# KiCad board Rotonometron_PCB.kicad_pcb
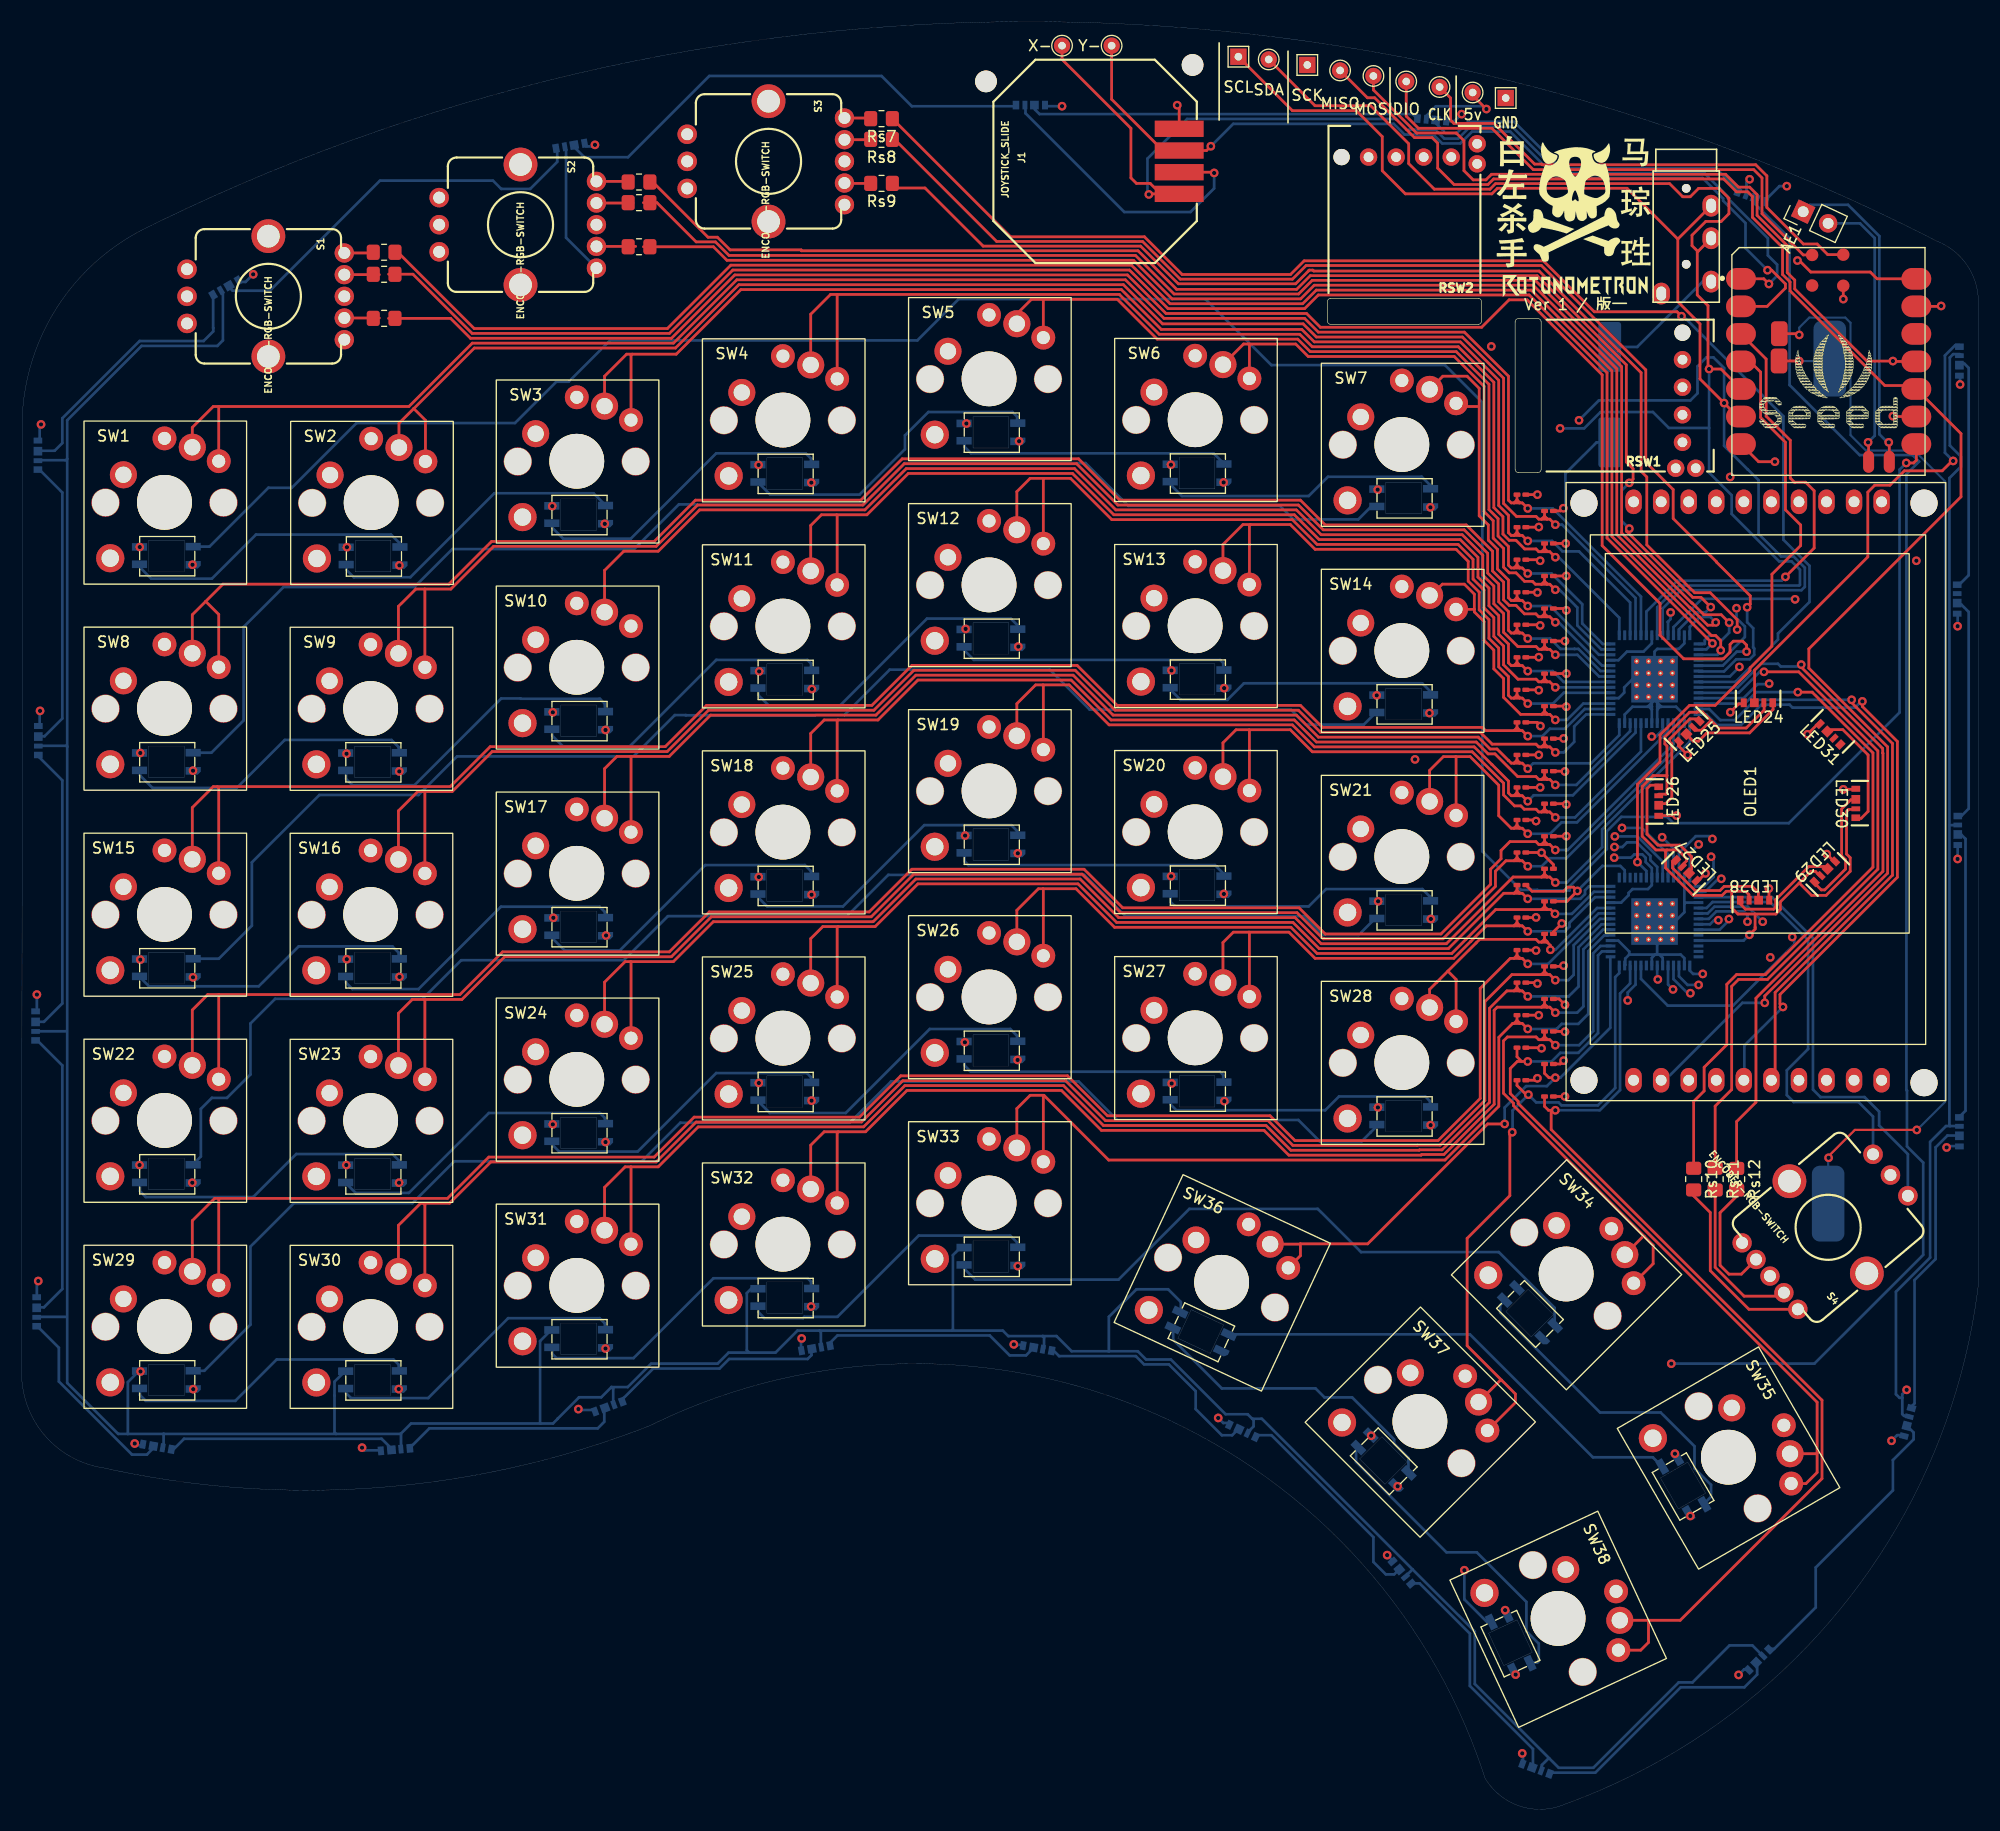
[diagram p0: board, top side]
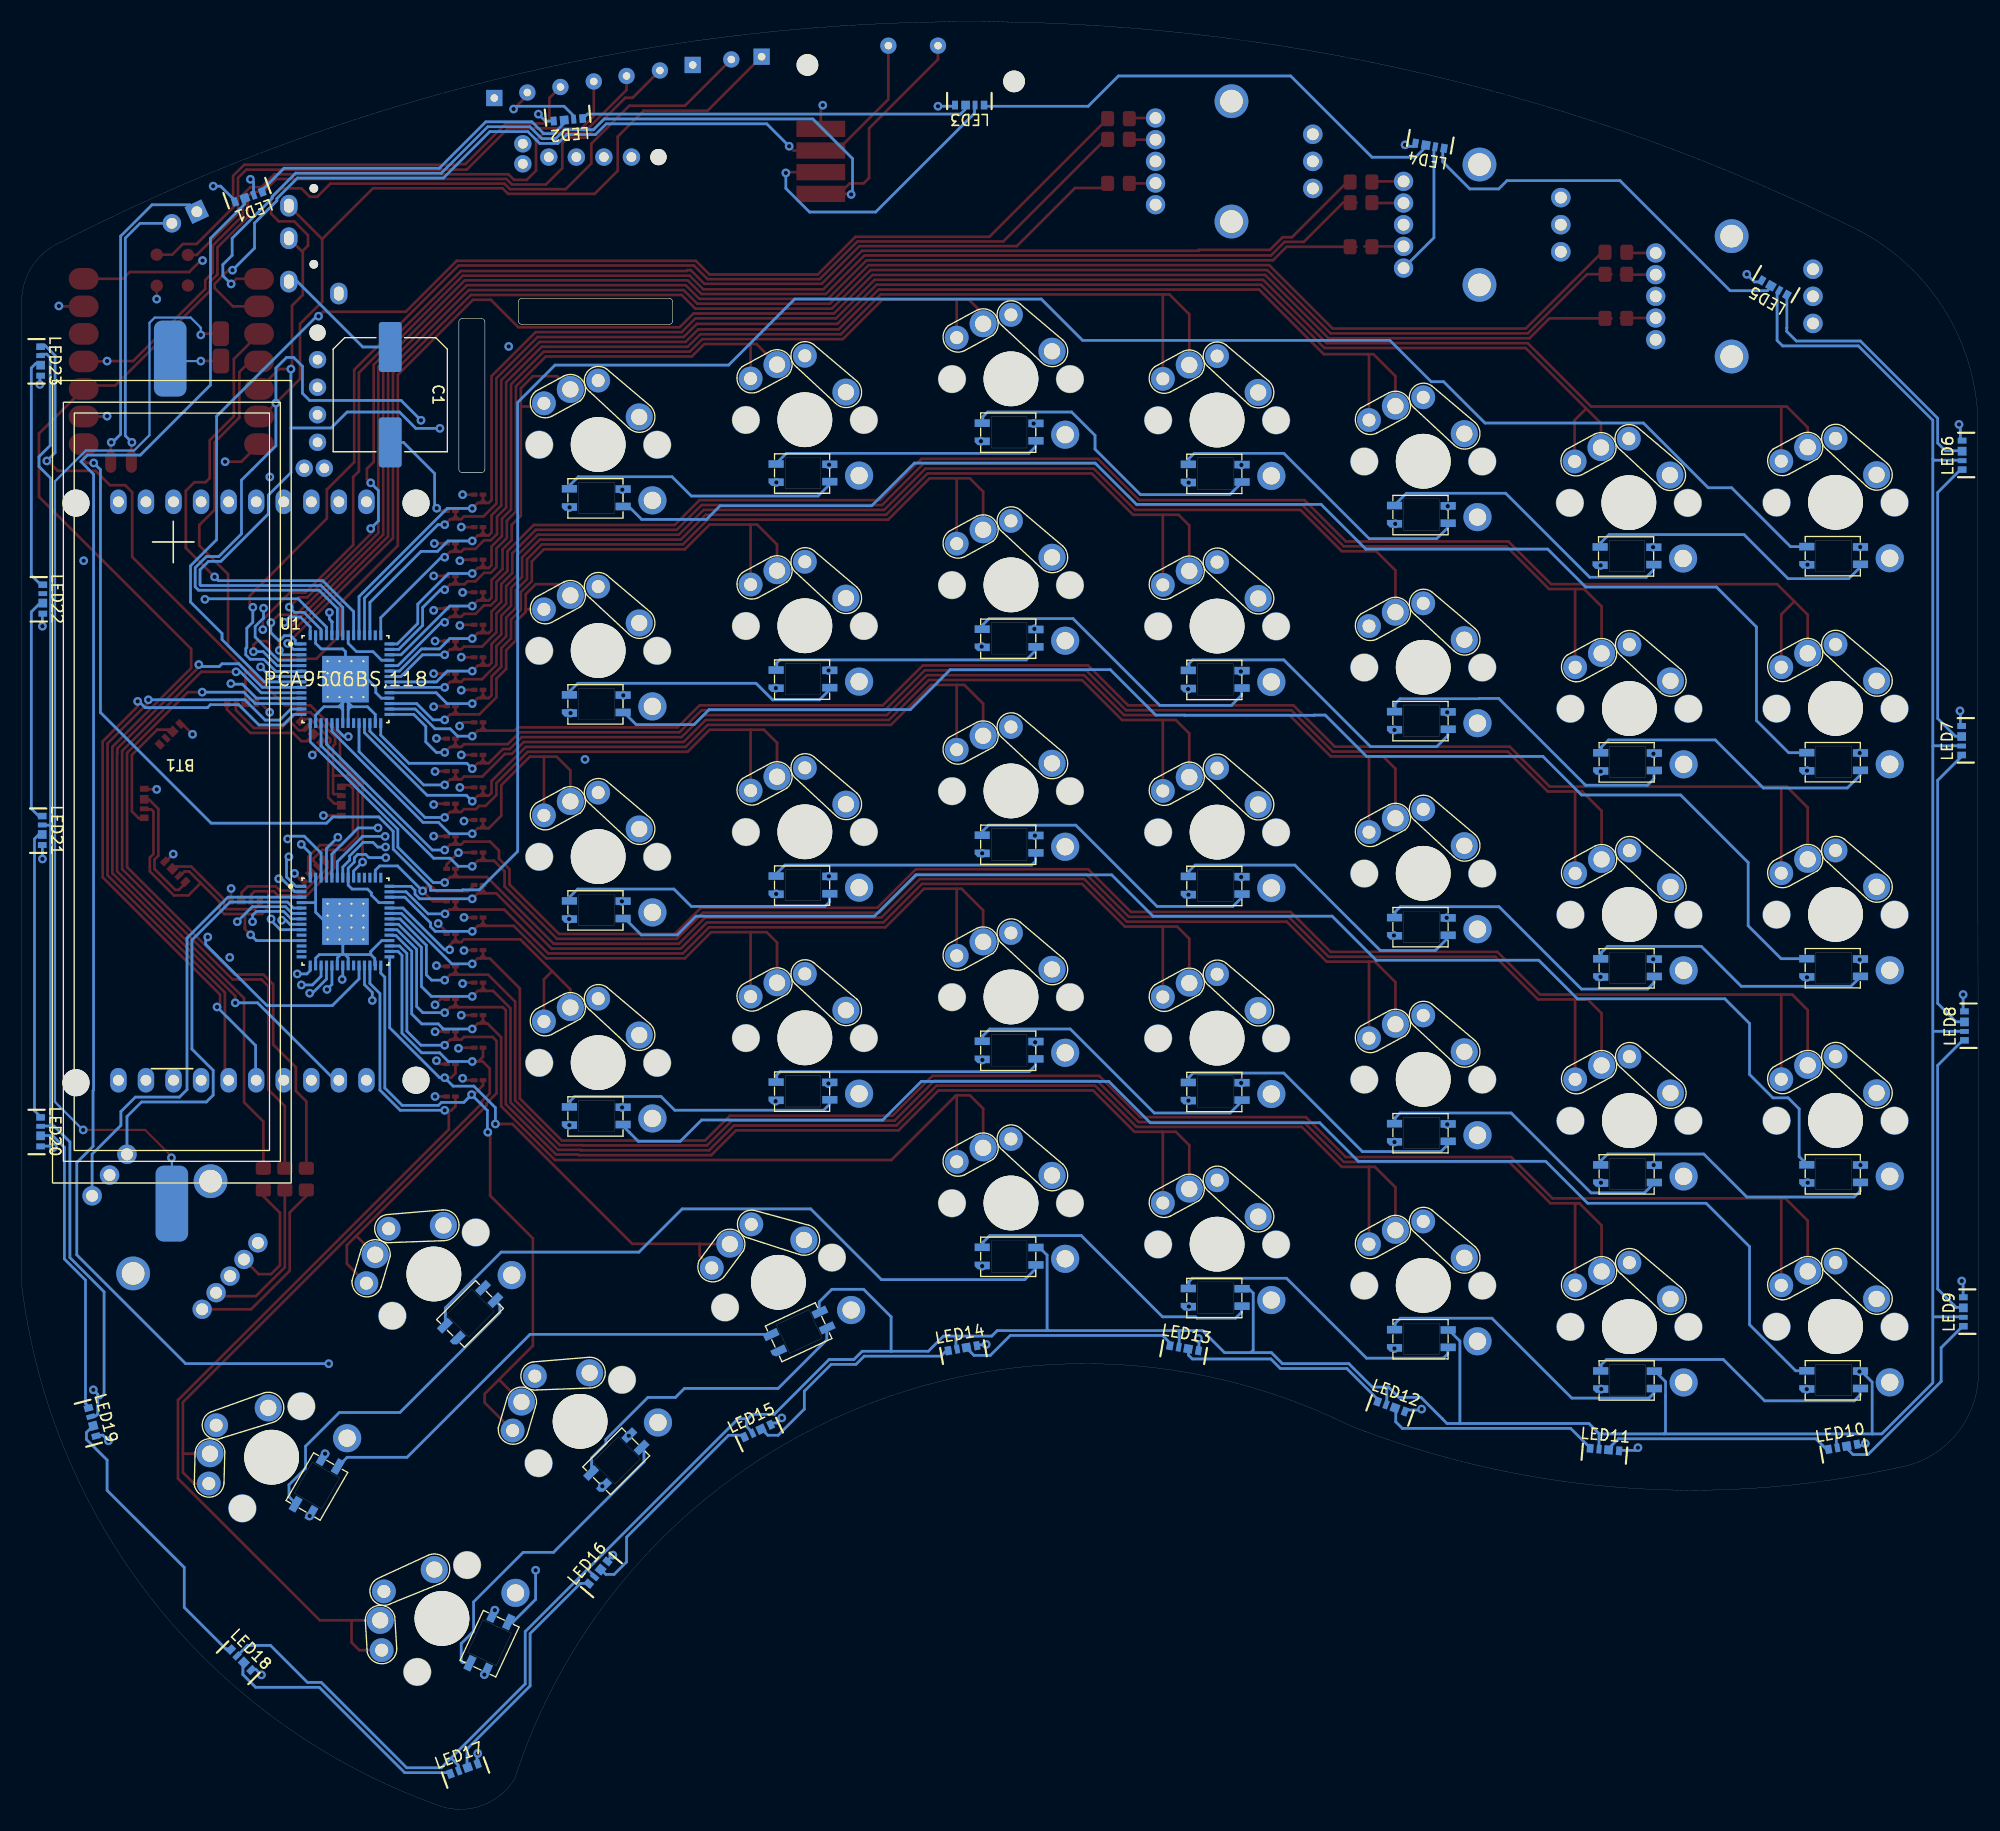
[diagram p1: board, bottom side, seen from below]

Outline 180.34 x 164.85 mm; copper layers: Top, In1.Cu, In2.Cu, Bottom. Coordinates in mm from the lower left corner of the outline.
Outline path: 7.57,31.48 7.29,31.52 6.72,31.65 6.16,31.8 5.61,32 5.07,32.23 4.56,32.49 4.06,32.79 3.58,33.12 3.12,33.48 2.69,33.87 2.28,34.29 1.91,34.74 1.56,35.2 1.25,35.69 0.96,36.2 0.71,36.73 0.5,37.27 0.32,37.82 0.18,38.39 0.08,38.96 0.02,39.54 0,39.83 0.06,126.16 0.07,126.61 0.08,127.5 0.1,128.4 0.11,129.29 0.21,130.18 0.34,131.06 0.52,131.94 0.73,132.81 0.99,133.67 1.28,134.51 1.6,135.35 1.96,136.16 2.36,136.96 2.79,137.75 3.26,138.51 3.76,139.25 4.29,139.97 4.85,140.67 5.44,141.34 6.06,141.98 6.71,142.6 7.38,143.19 8.08,143.74 8.81,144.27 9.55,144.76 10.32,145.22 11.1,145.65 11.5,145.85 12.72,146.45 15.18,147.62 17.65,148.75 20.13,149.85 22.64,150.9 25.15,151.92 27.69,152.91 30.23,153.85 32.8,154.76 35.37,155.63 37.96,156.46 40.55,157.26 43.17,158.01 45.79,158.73 48.42,159.41 51.06,160.04 53.71,160.64 56.37,161.2 59.04,161.72 61.71,162.2 64.39,162.64 67.08,163.04 69.77,163.4 72.47,163.73 75.17,164.01 77.88,164.25 80.59,164.45 83.3,164.61 86.02,164.73 88.73,164.81 91.45,164.85 94.17,164.85 96.88,164.81 99.6,164.73 102.31,164.61 105.03,164.44 107.73,164.24 110.44,164 113.14,163.72 115.84,163.4 118.53,163.04 121.22,162.63 123.9,162.19 126.58,161.71 129.24,161.19 131.9,160.63 134.55,160.03 137.19,159.39 139.83,158.72 142.45,158 145.06,157.24 147.66,156.45 150.24,155.62 152.82,154.75 155.38,153.84 157.92,152.89 160.46,151.91 162.97,150.88 165.48,149.83 167.96,148.73 170.43,147.6 172.89,146.43 175.32,145.22 176.53,144.6 176.76,144.51 177.2,144.29 177.63,144.04 178.03,143.75 178.41,143.43 178.76,143.08 179.08,142.7 179.37,142.3 179.62,141.88 179.84,141.43 180.02,140.97 180.16,140.49 180.27,140.01 180.33,139.52 180.34,139.27 180.34,48.34 180.25,47.58 180.02,46.06 179.76,44.55 179.45,43.05 179.11,41.56 178.73,40.07 178.3,38.6 177.85,37.14 177.35,35.69 176.81,34.26 176.24,32.83 175.63,31.43 174.98,30.04 174.3,28.67 173.58,27.32 172.83,25.98 172.04,24.67 171.21,23.38 170.36,22.11 169.47,20.86 168.54,19.64 167.59,18.44 166.61,17.26 165.59,16.12 164.55,15 163.47,13.9 162.37,12.84 161.24,11.8 160.08,10.8 158.9,9.83 157.69,8.88 156.46,7.97 155.2,7.09 153.92,6.25 152.62,5.44 151.3,4.66 149.96,3.92 148.6,3.21 147.23,2.54 145.83,1.91 144.42,1.31 142.99,0.75 142.27,0.49 142.06,0.4 141.61,0.24 141.15,0.13 140.69,0.05 140.22,0 139.75,0 139.28,0.03 138.81,0.1 138.35,0.21 137.9,0.36 137.46,0.54 137.04,0.75 136.64,1 136.26,1.28 135.9,1.59 135.57,1.92 135.27,2.29 135,2.67 134.87,2.87 134.64,3.58 134.15,4.97 133.62,6.36 133.05,7.72 132.45,9.08 131.81,10.41 131.14,11.73 130.43,13.03 129.68,14.31 128.9,15.57 128.09,16.81 127.24,18.02 126.37,19.21 125.46,20.38 124.52,21.53 123.55,22.65 122.55,23.74 121.52,24.8 120.46,25.84 119.37,26.85 118.26,27.82 117.12,28.77 115.96,29.69 114.78,30.58 113.57,31.43 112.33,32.25 111.08,33.04 109.8,33.79 108.51,34.51 107.2,35.19 105.86,35.84 104.52,36.46 103.15,37.03 101.77,37.57 100.38,38.07 98.97,38.54 97.56,38.97 96.13,39.35 94.69,39.7 93.24,40.02 91.79,40.29 90.32,40.52 88.85,40.72 87.38,40.87 85.91,40.98 84.43,41.06 82.95,41.1 81.47,41.09 79.99,41.05 78.51,40.96 77.03,40.84 75.56,40.68 74.09,40.48 72.63,40.23 71.18,39.95 69.73,39.63 68.29,39.28 66.87,38.88 65.45,38.44 64.05,37.97 62.66,37.46 61.28,36.91 59.92,36.33 58.58,35.71 57.91,35.38 57.06,35.05 55.34,34.42 53.61,33.83 51.87,33.27 50.11,32.75 48.35,32.27 46.57,31.82 44.79,31.41 43,31.04 41.2,30.71 39.39,30.41 37.58,30.16 35.77,29.94 33.95,29.76 32.12,29.62 30.29,29.51 28.47,29.45 26.64,29.42 24.81,29.44 22.98,29.49 21.15,29.58 19.32,29.71 17.5,29.87 15.68,30.08 13.87,30.32 12.06,30.61 10.26,30.93 8.47,31.28 closed
Stack: Top 0.035mm / dielectric 1.51mm FR4 er 4.5 / In1.Cu 0.035mm / dielectric 1.51mm FR4 er 4.5 / In2.Cu 0.035mm / dielectric 1.51mm FR4 er 4.5 / Bottom 0.035mm

## Placement (name value [footprint] x y rotation side)
5v  Pin_R  [TestPoint_THTPad_D1.5mm_Drill0.7mm]  133.73 158.32 0 top
AE1  Antenna_Dipole  [PinHeader_1x02_P2.54mm_Vertical]  164.2 147.33 65 top
BT1  BATTERY-18650  [18650 Sled]  166.5 60.76 180 bottom
C1  C_Polarized_1000uf  [C_Elec_10x10.2]  146.37 130.45 270 bottom
CLK  Pin_R  [TestPoint_THTPad_D1.5mm_Drill0.7mm]  130.69 158.83 0 top
DIO  Pin_R  [TestPoint_THTPad_D1.5mm_Drill0.7mm]  127.61 159.33 0 top
G***  -  [LOGO]  143.13 146.76 0 top
G***#2  -  [LOGO]  276.49 107.04 345 bottom
GND  Pin_S  [TestPoint_THTPad_1.5x1.5mm_Drill0.7mm]  136.78 157.81 0 top
J1  JOYSTICK_SLIDE  [JOYSTICK-PSP1000]  98.94 151.97 270 top
LED1  SK6812  [Neopixel 2040]  159.17 148.39 160 bottom
LED2  SK6812  [Neopixel 2040]  129.8 155.44 175 bottom
LED3  SK6812  [Neopixel 2040]  92.84 156.78 180 bottom
LED4  SK6812  [Neopixel 2040]  50.49 153.01 190 bottom
LED5  SK6812  [Neopixel 2040]  18.87 139.93 210 bottom
LED6  SK6812  [Neopixel 2040]  1.87 124.74 270 bottom
LED7  SK6812  [Neopixel 2040]  1.91 98.43 270 bottom
LED8  SK6812  [Neopixel 2040]  1.65 72.11 270 bottom
LED9  SK6812  [Neopixel 2040]  1.76 45.75 270 bottom
LED10  SK6812  [Neopixel 2040]  12.69 33.78 350 bottom
LED11  SK6812  [Neopixel 2040]  34.55 33.56 5 bottom
LED12  SK6812  [Neopixel 2040]  54.1 37.54 20 bottom
LED13  SK6812  [Neopixel 2040]  73.26 42.92 10 bottom
LED14  SK6812  [Neopixel 2040]  93.82 42.87 350 bottom
LED15  SK6812  [Neopixel 2040]  112.8 35.18 335 bottom
LED16  SK6812  [Neopixel 2040]  127.59 21.97 310 bottom
LED17  SK6812  [Neopixel 2040]  139.83 4.04 340 bottom
LED18  SK6812  [Neopixel 2040]  159.95 14.15 45 bottom
LED19  SK6812  [Neopixel 2040]  173.51 35.94 75 bottom
LED20  SK6812  [Neopixel 2040]  178.22 62.61 90 bottom
LED21  SK6812  [Neopixel 2040]  178.07 90.4 90 bottom
LED22  SK6812  [Neopixel 2040]  178.02 111.73 90 bottom
LED23  SK6812  [Neopixel 2040]  178.22 133.68 90 bottom
LED24  SK6812  [Neopixel 2040]  160.2 101.67 0 top
LED25  SK6812  [Neopixel 2040]  154.05 99.24 45 top
LED26  SK6812  [Neopixel 2040]  151.26 93.09 90 top
LED27  SK6812  [Neopixel 2040]  153.59 86.94 135 top
LED28  SK6812  [Neopixel 2040]  159.59 84.21 180 top
LED29  SK6812  [Neopixel 2040]  165.83 86.64 225 top
LED30  SK6812  [Neopixel 2040]  168.67 92.64 270 top
LED31  SK6812  [Neopixel 2040]  166.5 98.78 315 top
MISO  Pin_R  [TestPoint_THTPad_D1.5mm_Drill0.7mm]  121.52 160.35 0 top
MOSI  Pin_R  [TestPoint_THTPad_D1.5mm_Drill0.7mm]  124.59 159.84 0 top
OLED1  OLED_Screen  [Esplora OLED Shield]  159.84 93.85 90 top
R1  1kΩ  [R_0201_0603Metric_Pad0.64x0.40mm_HandSolder]  138.23 121.23 180 top
R2  1kΩ  [R_0201_0603Metric_Pad0.64x0.40mm_HandSolder]  140.77 119.73 180 top
R3  1kΩ  [R_0201_0603Metric_Pad0.64x0.40mm_HandSolder]  138.23 118.23 180 top
R4  1kΩ  [R_0201_0603Metric_Pad0.64x0.40mm_HandSolder]  140.77 116.73 180 top
R5  1kΩ  [R_0201_0603Metric_Pad0.64x0.40mm_HandSolder]  138.23 115.23 180 top
R6  1kΩ  [R_0201_0603Metric_Pad0.64x0.40mm_HandSolder]  140.77 113.73 180 top
R7  1kΩ  [R_0201_0603Metric_Pad0.64x0.40mm_HandSolder]  138.23 112.23 180 top
R8  1kΩ  [R_0201_0603Metric_Pad0.64x0.40mm_HandSolder]  140.77 110.73 180 top
R9  1kΩ  [R_0201_0603Metric_Pad0.64x0.40mm_HandSolder]  138.23 109.23 180 top
R10  1kΩ  [R_0201_0603Metric_Pad0.64x0.40mm_HandSolder]  140.77 107.73 180 top
R11  1kΩ  [R_0201_0603Metric_Pad0.64x0.40mm_HandSolder]  138.23 106.23 180 top
R12  1kΩ  [R_0201_0603Metric_Pad0.64x0.40mm_HandSolder]  140.77 104.73 180 top
R13  1kΩ  [R_0201_0603Metric_Pad0.64x0.40mm_HandSolder]  138.23 103.23 180 top
R14  1kΩ  [R_0201_0603Metric_Pad0.64x0.40mm_HandSolder]  140.77 101.73 180 top
R15  1kΩ  [R_0201_0603Metric_Pad0.64x0.40mm_HandSolder]  138.23 100.23 180 top
R16  1kΩ  [R_0201_0603Metric_Pad0.64x0.40mm_HandSolder]  140.77 98.73 180 top
R17  1kΩ  [R_0201_0603Metric_Pad0.64x0.40mm_HandSolder]  138.23 97.23 180 top
R18  1kΩ  [R_0201_0603Metric_Pad0.64x0.40mm_HandSolder]  140.77 95.73 180 top
R19  1kΩ  [R_0201_0603Metric_Pad0.64x0.40mm_HandSolder]  138.23 94.23 180 top
R20  1kΩ  [R_0201_0603Metric_Pad0.64x0.40mm_HandSolder]  140.77 92.73 180 top
R21  1kΩ  [R_0201_0603Metric_Pad0.64x0.40mm_HandSolder]  138.23 91.23 180 top
R22  1kΩ  [R_0201_0603Metric_Pad0.64x0.40mm_HandSolder]  140.77 89.73 180 top
R23  1kΩ  [R_0201_0603Metric_Pad0.64x0.40mm_HandSolder]  138.23 88.23 180 top
R24  1kΩ  [R_0201_0603Metric_Pad0.64x0.40mm_HandSolder]  140.77 86.73 180 top
R25  1kΩ  [R_0201_0603Metric_Pad0.64x0.40mm_HandSolder]  138.23 85.23 180 top
R26  1kΩ  [R_0201_0603Metric_Pad0.64x0.40mm_HandSolder]  140.77 83.73 180 top
R27  1kΩ  [R_0201_0603Metric_Pad0.64x0.40mm_HandSolder]  138.23 82.23 180 top
R28  1kΩ  [R_0201_0603Metric_Pad0.64x0.40mm_HandSolder]  140.77 80.73 180 top
R29  1kΩ  [R_0201_0603Metric_Pad0.64x0.40mm_HandSolder]  138.23 79.23 180 top
R30  1kΩ  [R_0201_0603Metric_Pad0.64x0.40mm_HandSolder]  140.77 77.73 180 top
R31  1kΩ  [R_0201_0603Metric_Pad0.64x0.40mm_HandSolder]  138.23 76.23 180 top
R32  1kΩ  [R_0201_0603Metric_Pad0.64x0.40mm_HandSolder]  140.77 74.73 180 top
R33  1kΩ  [R_0201_0603Metric_Pad0.64x0.40mm_HandSolder]  138.23 73.23 180 top
R34  1kΩ  [R_0201_0603Metric_Pad0.64x0.40mm_HandSolder]  140.77 71.73 180 top
R35  1kΩ  [R_0201_0603Metric_Pad0.64x0.40mm_HandSolder]  138.23 70.23 180 top
R36  1kΩ  [R_0201_0603Metric_Pad0.64x0.40mm_HandSolder]  140.77 68.73 180 top
R37  1kΩ  [R_0201_0603Metric_Pad0.64x0.40mm_HandSolder]  138.23 67.23 180 top
R38  1kΩ  [R_0201_0603Metric_Pad0.64x0.40mm_HandSolder]  140.77 65.73 180 top
Rs1  220Ω  [R_0805_2012Metric_Pad1.20x1.40mm_HandSolder]  33.4 143.59 180 top
Rs2  220Ω  [R_0805_2012Metric_Pad1.20x1.40mm_HandSolder]  33.4 141.55 180 top
Rs3  220Ω  [R_0805_2012Metric_Pad1.20x1.40mm_HandSolder]  33.4 137.49 180 top
Rs4  220Ω  [R_0805_2012Metric_Pad1.20x1.40mm_HandSolder]  56.9 150.06 180 top
Rs5  220Ω  [R_0805_2012Metric_Pad1.20x1.40mm_HandSolder]  56.9 148.16 180 top
Rs6  220Ω  [R_0805_2012Metric_Pad1.20x1.40mm_HandSolder]  56.9 144.09 180 top
Rs7  220Ω  [R_0805_2012Metric_Pad1.20x1.40mm_HandSolder]  79.25 155.91 180 top
Rs8  220Ω  [R_0805_2012Metric_Pad1.20x1.40mm_HandSolder]  79.25 154 180 top
Rs9  220Ω  [R_0805_2012Metric_Pad1.20x1.40mm_HandSolder]  79.25 149.94 180 top
Rs10  220Ω  [R_0805_2012Metric_Pad1.20x1.40mm_HandSolder]  154.1 58.12 270 top
Rs11  220Ω  [R_0805_2012Metric_Pad1.20x1.40mm_HandSolder]  156.09 58.12 270 top
Rs12  220Ω  [R_0805_2012Metric_Pad1.20x1.40mm_HandSolder]  158.07 58.11 270 top
RSW1  Roller Encoder Switch  [RollerEncoder_Panasonic_EVQWGD001]  147.45 129.87 180 top
RSW2  Roller Encoder Switch  [RollerEncoder_Panasonic_EVQWGD001]  127.95 146.74 270 top
S1  ENCODER-RGB-SWITCH  [ENCODER_LED_3]  22.74 139.52 270 top
S2  ENCODER-RGB-SWITCH  [ENCODER_LED_3]  45.98 146.13 270 top
S3  ENCODER-RGB-SWITCH  [ENCODER_LED_3]  68.84 151.97 270 top
S4  ENCODER-RGB-SWITCH  [ENCODER_LED_3]  166.5 53.67 130 top
SCK  Pin_S  [TestPoint_THTPad_1.5x1.5mm_Drill0.7mm]  118.49 160.86 0 top
SCL  Pin_S  [TestPoint_THTPad_1.5x1.5mm_Drill0.7mm]  112.14 161.62 0 top
SDA  Pin_R  [TestPoint_THTPad_D1.5mm_Drill0.7mm]  114.94 161.37 0 top
SW1  HECKIN_LED_SWITCH  [xX_Super_Heckin_Valid_MX_CHOC_SK6812MINIE_ONESIDE_KEYSWITCH_UwU_Xx]  13.08 120.63 0 top
SW2  HECKIN_LED_SWITCH  [xX_Super_Heckin_Valid_MX_CHOC_SK6812MINIE_ONESIDE_KEYSWITCH_UwU_Xx]  32.13 120.6 0 top
SW3  HECKIN_LED_SWITCH  [xX_Super_Heckin_Valid_MX_CHOC_SK6812MINIE_ONESIDE_KEYSWITCH_UwU_Xx]  51.08 124.42 0 top
SW4  HECKIN_LED_SWITCH  [xX_Super_Heckin_Valid_MX_CHOC_SK6812MINIE_ONESIDE_KEYSWITCH_UwU_Xx]  70.08 128.22 0 top
SW5  HECKIN_LED_SWITCH  [xX_Super_Heckin_Valid_MX_CHOC_SK6812MINIE_ONESIDE_KEYSWITCH_UwU_Xx]  89.08 132.02 0 top
SW6  HECKIN_LED_SWITCH  [xX_Super_Heckin_Valid_MX_CHOC_SK6812MINIE_ONESIDE_KEYSWITCH_UwU_Xx]  108.08 128.25 0 top
SW7  HECKIN_LED_SWITCH  [xX_Super_Heckin_Valid_MX_CHOC_SK6812MINIE_ONESIDE_KEYSWITCH_UwU_Xx]  127.13 125.96 0 top
SW8  HECKIN_LED_SWITCH  [xX_Super_Heckin_Valid_MX_CHOC_SK6812MINIE_ONESIDE_KEYSWITCH_UwU_Xx]  13.08 101.63 0 top
SW9  HECKIN_LED_SWITCH  [xX_Super_Heckin_Valid_MX_CHOC_SK6812MINIE_ONESIDE_KEYSWITCH_UwU_Xx]  32.08 101.62 0 top
SW10  HECKIN_LED_SWITCH  [xX_Super_Heckin_Valid_MX_CHOC_SK6812MINIE_ONESIDE_KEYSWITCH_UwU_Xx]  51.08 105.42 0 top
SW11  HECKIN_LED_SWITCH  [xX_Super_Heckin_Valid_MX_CHOC_SK6812MINIE_ONESIDE_KEYSWITCH_UwU_Xx]  70.08 109.22 0 top
SW12  HECKIN_LED_SWITCH  [xX_Super_Heckin_Valid_MX_CHOC_SK6812MINIE_ONESIDE_KEYSWITCH_UwU_Xx]  89.08 113.02 0 top
SW13  HECKIN_LED_SWITCH  [xX_Super_Heckin_Valid_MX_CHOC_SK6812MINIE_ONESIDE_KEYSWITCH_UwU_Xx]  108.08 109.25 0 top
SW14  HECKIN_LED_SWITCH  [xX_Super_Heckin_Valid_MX_CHOC_SK6812MINIE_ONESIDE_KEYSWITCH_UwU_Xx]  127.13 106.96 0 top
SW15  HECKIN_LED_SWITCH  [xX_Super_Heckin_Valid_MX_CHOC_SK6812MINIE_ONESIDE_KEYSWITCH_UwU_Xx]  13.08 82.63 0 top
SW16  HECKIN_LED_SWITCH  [xX_Super_Heckin_Valid_MX_CHOC_SK6812MINIE_ONESIDE_KEYSWITCH_UwU_Xx]  32.08 82.62 0 top
SW17  HECKIN_LED_SWITCH  [xX_Super_Heckin_Valid_MX_CHOC_SK6812MINIE_ONESIDE_KEYSWITCH_UwU_Xx]  51.08 86.42 0 top
SW18  HECKIN_LED_SWITCH  [xX_Super_Heckin_Valid_MX_CHOC_SK6812MINIE_ONESIDE_KEYSWITCH_UwU_Xx]  70.08 90.22 0 top
SW19  HECKIN_LED_SWITCH  [xX_Super_Heckin_Valid_MX_CHOC_SK6812MINIE_ONESIDE_KEYSWITCH_UwU_Xx]  89.08 94.02 0 top
SW20  HECKIN_LED_SWITCH  [xX_Super_Heckin_Valid_MX_CHOC_SK6812MINIE_ONESIDE_KEYSWITCH_UwU_Xx]  108.08 90.25 0 top
SW21  HECKIN_LED_SWITCH  [xX_Super_Heckin_Valid_MX_CHOC_SK6812MINIE_ONESIDE_KEYSWITCH_UwU_Xx]  127.13 87.96 0 top
SW22  HECKIN_LED_SWITCH  [xX_Super_Heckin_Valid_MX_CHOC_SK6812MINIE_ONESIDE_KEYSWITCH_UwU_Xx]  13.08 63.63 0 top
SW23  HECKIN_LED_SWITCH  [xX_Super_Heckin_Valid_MX_CHOC_SK6812MINIE_ONESIDE_KEYSWITCH_UwU_Xx]  32.08 63.62 0 top
SW24  HECKIN_LED_SWITCH  [xX_Super_Heckin_Valid_MX_CHOC_SK6812MINIE_ONESIDE_KEYSWITCH_UwU_Xx]  51.08 67.42 0 top
SW25  HECKIN_LED_SWITCH  [xX_Super_Heckin_Valid_MX_CHOC_SK6812MINIE_ONESIDE_KEYSWITCH_UwU_Xx]  70.08 71.22 0 top
SW26  HECKIN_LED_SWITCH  [xX_Super_Heckin_Valid_MX_CHOC_SK6812MINIE_ONESIDE_KEYSWITCH_UwU_Xx]  89.08 75.02 0 top
SW27  HECKIN_LED_SWITCH  [xX_Super_Heckin_Valid_MX_CHOC_SK6812MINIE_ONESIDE_KEYSWITCH_UwU_Xx]  108.08 71.25 0 top
SW28  HECKIN_LED_SWITCH  [xX_Super_Heckin_Valid_MX_CHOC_SK6812MINIE_ONESIDE_KEYSWITCH_UwU_Xx]  127.13 68.96 0 top
SW29  HECKIN_LED_SWITCH  [xX_Super_Heckin_Valid_MX_CHOC_SK6812MINIE_ONESIDE_KEYSWITCH_UwU_Xx]  13.08 44.63 0 top
SW30  HECKIN_LED_SWITCH  [xX_Super_Heckin_Valid_MX_CHOC_SK6812MINIE_ONESIDE_KEYSWITCH_UwU_Xx]  32.08 44.62 0 top
SW31  HECKIN_LED_SWITCH  [xX_Super_Heckin_Valid_MX_CHOC_SK6812MINIE_ONESIDE_KEYSWITCH_UwU_Xx]  51.08 48.42 0 top
SW32  HECKIN_LED_SWITCH  [xX_Super_Heckin_Valid_MX_CHOC_SK6812MINIE_ONESIDE_KEYSWITCH_UwU_Xx]  70.08 52.22 0 top
SW33  HECKIN_LED_SWITCH  [xX_Super_Heckin_Valid_MX_CHOC_SK6812MINIE_ONESIDE_KEYSWITCH_UwU_Xx]  89.08 56.02 0 top
SW34  HECKIN_LED_SWITCH  [xX_Super_Heckin_Valid_MX_CHOC_SK6812MINIE_ONESIDE_KEYSWITCH_UwU_Xx]  142.37 49.49 315 top
SW35  HECKIN_LED_SWITCH  [xX_Super_Heckin_Valid_MX_CHOC_SK6812MINIE_ONESIDE_KEYSWITCH_UwU_Xx]  157.36 32.59 300 top
SW36  HECKIN_LED_SWITCH  [xX_Super_Heckin_Valid_MX_CHOC_SK6812MINIE_ONESIDE_KEYSWITCH_UwU_Xx]  110.57 48.72 335 top
SW37  HECKIN_LED_SWITCH  [xX_Super_Heckin_Valid_MX_CHOC_SK6812MINIE_ONESIDE_KEYSWITCH_UwU_Xx]  128.89 35.9 315 top
SW38  HECKIN_LED_SWITCH  [xX_Super_Heckin_Valid_MX_CHOC_SK6812MINIE_ONESIDE_KEYSWITCH_UwU_Xx]  141.67 17.72 295 top
TRRS1  I2C TRRS  [TRRS-PJ-320A]  153.42 151.08 0 top
U1  PCA9506BS,118  [NXP_Semiconductors-PCA9506BS,118-Manufacturer_Recommended]  150.5 104.22 180 bottom
U2  PCA9506BS,118  [NXP_Semiconductors-PCA9506BS,118-Manufacturer_Recommended]  150.5 81.86 180 bottom
U3  XIAOBLE  [Seeeduino XIAO-MOUDLE14P-2.54-21X17.8MM]  157.63 123.02 0 top
X-  Pin_R  [TestPoint_THTPad_D1.5mm_Drill0.7mm]  95.89 162.64 0 top
Y-  Pin_R  [TestPoint_THTPad_D1.5mm_Drill0.7mm]  100.46 162.64 0 top

## Library data of the parts
BT1 = -: Field4: BATT-12327
J1 = -: Field4: COM-09426
RSW1 RSW2 = -: Field4: EVQWGD001
S1-S4 = -: Field4: RES-10859
U1 U2 = -: Component Link 1 Description: Manufacturer URL; Component Link 1 URL: http://www.nxp.com/; Component Link 3 Description: Package Specification; Component Link 3 URL: http://www.nxp.com/documents/outline_drawing/sot684-1_po.pdf; Datasheet Version: Rev. 4; IDD 5 5 V: 300 uA Max.; Mounting Technology: Surface Mount; Nr of Bits: 40; Operating Temperature Range: -40 to 85 degC; Package Description: 56-Pin Plastic Thermal Enhanced Very Thin Quad Flat Package, Body 8 x 8 mm, Pitch 0.50 mm; Package Version: Oct-02; Packing: Reel; VDD: 2.3 to 5.5 V; category: IC; ciiva ids: 1226981; fSCLFast mode: 400 kHz Max.; fSCLStandard mode: 100 kHz Max.; imported: yes; library id: b50e519592e36b96; manufacturer: NXP Semiconductors; release date: 1415010239; rohs: Yes; vault revision: B96E29AF-AB9F-4E9A-A7E6-423498F1ED1F

## Footprints (pads in the part's own frame, mm; a bottom-side part is the same pattern mirrored in y, then rotated)
18650 Sled
  rrect 3x7 smd: +(-0.152,73.025) -(0,-4.902)
C_Elec_10x10.2
  rrect 4.6x2.1 smd: 1(-4.4,0) 2(4.4,0)
ENCODER_LED_3
  round 1.778 hole 1.1: 1(-3.998,6.998) 2(-1.999,6.998) 3(0,6.998) 4(1.999,6.998) 5(3.998,6.998)
  round 1.798 hole 1.1: A(-2.499,-7.498) B(2.499,-7.498) C(0,-7.498)
  round 3.114 hole 2.098: M1(-5.55,0) M2(5.55,0)
Esplora OLED Shield
  round 2.5 hole 2.5 unplated: (-26.848,-15.494) (-26.619,15.85) (26.602,15.85) (26.602,-15.494)
  oval 2.262x1.508 hole 1: 1(-26.619,11.278) 2(-26.619,8.738) 3(-26.619,6.198) 4(-26.619,3.658) 5(-26.619,1.118) 6(-26.619,-1.422) 7(-26.619,-3.962) 8(-26.619,-6.502) 9(-26.619,-9.042) 10(-26.619,-11.582) 11(26.721,11.278) 12(26.721,8.738) 13(26.721,6.198) 14(26.721,3.658) 15(26.721,1.118) 16(26.721,-1.422) 17(26.721,-3.962) 18(26.721,-6.502) 19(26.721,-9.042) 20(26.721,-11.582)
JOYSTICK-PSP1000
  round 1.999 hole 1.999 unplated: (-8.89,8.984) (-7.374,-10.058)
  rect 1.499x4.498 smd: GND(-3,7.75) VCC(0.998,7.75) X(3,7.75) Y(-0.998,7.75)
Neopixel 2040
  rect 0.55x0.8 smd: 1(-1.475,0.375)
  rect 0.8x0.8 smd: 2(-0.5,0.375)
  rect 0.45x0.8 smd: 3(0.375,0.375)
  rect 0.6x0.8 smd: 4(1.2,0.375)
NXP_Semiconductors-PCA9506BS,118-Manufacturer_Recommended
  rect 0.9x0.29 smd: 1(-4.05,3.25) 2(-4.05,2.75) 3(-4.05,2.25) 4(-4.05,1.75) 5(-4.05,1.25) 6(-4.05,0.75) 7(-4.05,0.25) 8(-4.05,-0.25) 9(-4.05,-0.75) 10(-4.05,-1.25) 11(-4.05,-1.75) 12(-4.05,-2.25) 13(-4.05,-2.75) 14(-4.05,-3.25) 29(4.05,-3.25) 30(4.05,-2.75) 31(4.05,-2.25) 32(4.05,-1.75) 33(4.05,-1.25) 34(4.05,-0.75) 35(4.05,-0.25) 36(4.05,0.25) 37(4.05,0.75) 38(4.05,1.25) 39(4.05,1.75) 40(4.05,2.25) 41(4.05,2.75) 42(4.05,3.25)
  rect 0.29x0.9 smd: 15(-3.25,-4.05) 16(-2.75,-4.05) 17(-2.25,-4.05) 18(-1.75,-4.05) 19(-1.25,-4.05) 20(-0.75,-4.05) 21(-0.25,-4.05) 22(0.25,-4.05) 23(0.75,-4.05) 24(1.25,-4.05) 25(1.75,-4.05) 26(2.25,-4.05) 27(2.75,-4.05) 28(3.25,-4.05) 43(3.25,4.05) 44(2.75,4.05) 45(2.25,4.05) 46(1.75,4.05) 47(1.25,4.05) 48(0.75,4.05) 49(0.25,4.05) 50(-0.25,4.05) 51(-0.75,4.05) 52(-1.25,4.05) 53(-1.75,4.05) 54(-2.25,4.05) 55(-2.75,4.05) 56(-3.25,4.05)
  rect 4.3x4.3 smd: 57(0,0)
  round 0.5 hole 0.2: ~(-1.65,-1.65) ~(-1.65,-0.55) ~(-1.65,0.55) ~(-1.65,1.65) ~(-0.55,-1.65) ~(-0.55,-0.55) ~(-0.55,0.55) ~(-0.55,1.65) ~(0.55,-1.65) ~(0.55,-0.55) ~(0.55,0.55) ~(0.55,1.65) ~(1.65,-1.65) ~(1.65,-0.55) ~(1.65,0.55) ~(1.65,1.65)
PinHeader_1x02_P2.54mm_Vertical
  rect 1.7x1.7 hole 1: 1(0,0)
  oval 1.7x1.7 hole 1: 2(0,-2.54)
R_0201_0603Metric_Pad0.64x0.40mm_HandSolder
  rrect 0.458x0.36 smd: (-0.432,0) (0.432,0)
  rrect 0.635x0.4 smd: 1(-0.407,0) 2(0.407,0)
R_0805_2012Metric_Pad1.20x1.40mm_HandSolder
  rrect 1.2x1.4 smd: 1(-1,0) 2(1,0)
RollerEncoder_Panasonic_EVQWGD001
  round 1.5 hole 1.5 unplated: (-5.625,-6.3)
  round 1.6 hole 0.9: A(-5.625,3.81) B(-5.625,1.27) C(-5.625,-1.27) D(-5.625,-3.81) S1(-6.85,6.2) S2(-5,6.2)
Seeeduino XIAO-MOUDLE14P-2.54-21X17.8MM
  oval 2.748x1.999 smd: 1(0.833,18.118) 2(0.833,15.578) 3(0.833,13.038) 4(0.833,10.498) 5(0.833,7.958) 6(0.833,5.418) 7(0.833,2.878) 8(16.998,2.878) 9(16.998,5.418) 10(16.998,7.958) 11(16.998,10.498) 12(16.998,13.038) 13(16.998,15.578) 14(16.998,18.118)
  oval 1.016x2.032 smd: 15(12.598,1.245) 16(14.503,1.245)
  round 1.143 smd: 17(7.391,20.32) 18(10.262,20.345) 19(7.391,17.501) 20(10.262,17.475)
  rrect 1.524x2.286 smd: 21(4.369,13.056) 22(4.343,10.541)
TestPoint_THTPad_1.5x1.5mm_Drill0.7mm
  rect 1.5x1.5 hole 0.7: 1(0,0)
TestPoint_THTPad_D1.5mm_Drill0.7mm
  round 1.5 hole 0.7: 1(0,0)
TRRS-PJ-320A
  round 0.8 hole 0.8 unplated: (0,-1.6) (0,-8.6)
  oval 1.6x2 hole 0.9x1.3: R1(2.3,-6.2) R2(2.3,-3.2) S(-2.3,-11.3) T(2.3,-10.2)
xX_Super_Heckin_Valid_MX_CHOC_SK6812MINIE_ONESIDE_KEYSWITCH_UwU_Xx
  round 2.6 hole 2.5 unplated: (-5.361,-0.125) (5.51,-0.125)
  round 5.05 hole 5.05 unplated: (0.078,-0.103)
  round 2.5 hole 1.5: 1(-3.71,2.44) 2(2.64,4.98)
  round 2.2 hole 1.2: 1(0.078,5.797) 2(5.078,3.697)
  round 2.6 hole 1.6: 3(-4.922,-5.253)
  rect 1.4x0.7 smd far side: 5v(-2.225,-4.213) DIN(2.725,-4.187) DOUT(-2.225,-5.815)
  rrect 1.4x0.7 smd far side: GND(2.725,-5.864)
